# Altium PCB Copy of Ethernet2MilProtocolAdapter.PcbDoc (part 3 of 3)
Units mil, origin at the board's own origin, x right, y up, seen from the top; angles counter-clockwise.
Board outline 3750 x 3500 mil, 6 copper layers (SIG TOP, GND 1, PWR, SIG, GND 2, SIG BOT), stack 60.566 mil thick; 244 components, 325 nets, 968 pads, 582 vias.
Unrouted connection lines stored in the file: 211.
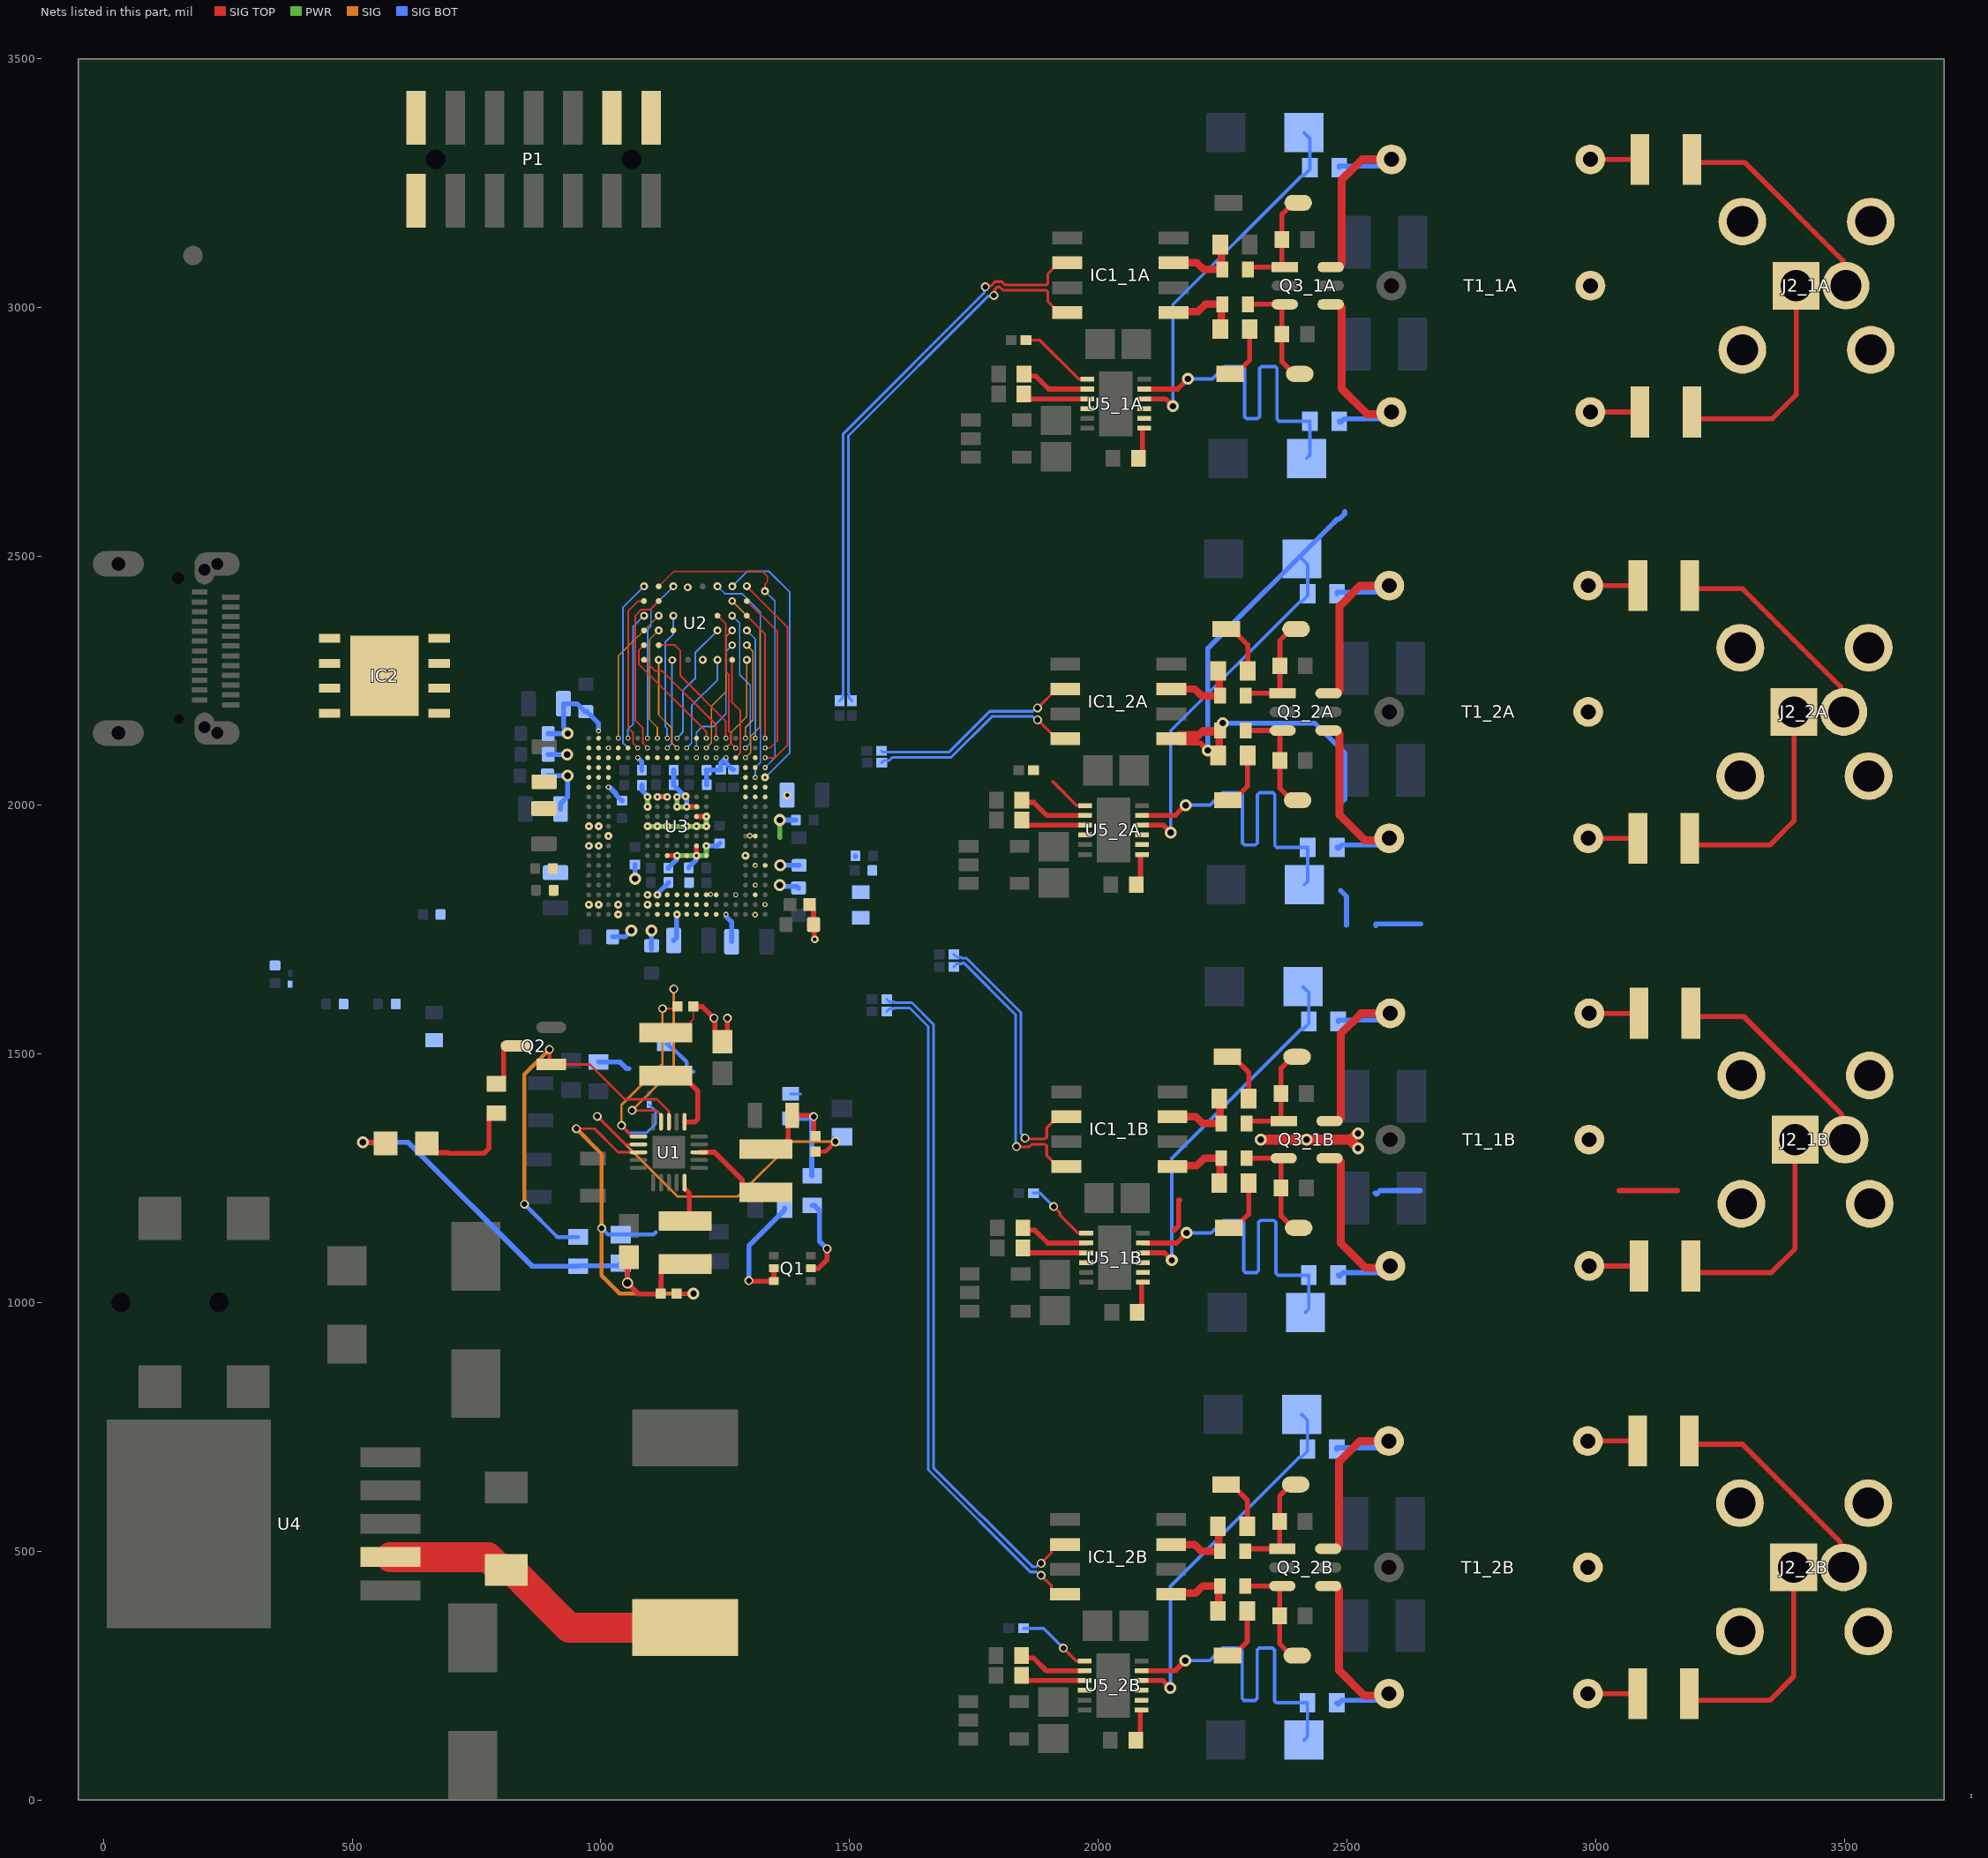
[diagram p7: the nets of this part, all layers, seen from the top]

## Via types
v1: diameter 24, hole 13, SIG TOP to SIG BOT, tented both sides, 114 vias
v2: diameter 15.75, hole 5.91, SIG TOP to SIG BOT, tented both sides, 98 vias
v3: diameter 24/0/0/0/0/24 (per signal layer), hole 13, SIG TOP to SIG BOT, tented both sides, 69 vias
v4: diameter 9.84, hole 5.91, SIG TOP to SIG BOT, tented both sides, 68 vias
v5: diameter 15.75, hole 7.87, SIG TOP to SIG BOT, tented both sides, 68 vias
v6: diameter 17.72, hole 11.81, SIG TOP to SIG BOT, tented both sides, 45 vias
v7: diameter 19.68, hole 11.81, SIG TOP to SIG BOT, tented both sides, 45 vias
v8: diameter 23.62, hole 19.68, SIG TOP to SIG BOT, tented both sides, 27 vias
v9: diameter 19.68, hole 7.87, SIG TOP to SIG BOT, 24 vias
v10: diameter 11.81, hole 5.91, SIG TOP to SIG BOT, tented both sides, 15 vias
v11: diameter 21.65, hole 15.75, SIG TOP to SIG BOT, tented both sides, 8 vias
v12: diameter 177.17, hole 118.11, SIG TOP to SIG BOT, 1 vias

## Nets (pads, with @x,y where several pads share a name; then routed paths per layer and width w, separated by ;. In a path a pad name is that pad's centre, name@x,y a point inside that pad or via, vN(x,y) a via of type N, cw(c..) or ccw(c..) an arc to the next point about the centre after c; other vN are vias at no path point) (continued)
NetD10_1B_1: D10_1B.1 R35_1B.2 | length 108.9
  SIG TOP w10: D10_1B.1@2259.61,1494 2271.14,1494 2302.83,1462.31 2302.83,1410.47 R35_1B.2@2302.36,1410
NetD10_2A_1: D10_2A.1 R35_2A.2 | length 108.9
  SIG TOP w10: D10_2A.1@2257.45,2354 2268.99,2354 2300.68,2322.31 2300.68,2270.47 R35_2A.2@2300.21,2270
NetD10_2B_1: D10_2B.1 R35_2B.2 | length 108.9
  SIG TOP w10: D10_2B.1@2256.77,634 2268.31,634 2300,602.31 2300,550.47 R35_2B.2@2299.53,550
NetD11_1A_1: D11_1A.1 R38_1A.2 | length 779.2
  SIG TOP w10: D11_1A.1@2264.92,2866.99 2276.46,2866.99 2304.53,2895.06 R38_1A.2@2304.53,2956.99
  SIG TOP w20: v1(2326.61,1327.4) 2372.83,1327.4 ; v1(2326.61,1327.4) 2372.83,1327.4 ; v1(2326.61,1327.4) 2372.83,1327.4 ; 2372.83,1327.4 v1(2418.92,1327.4) ; 2372.83,1327.4 v1(2418.92,1327.4) ; 2372.83,1327.4 v1(2418.92,1327.4) ; v1(2418.92,1327.4) 2465,1327.4 ; v1(2418.92,1327.4) 2465,1327.4 ; v1(2418.92,1327.4) 2465,1327.4 ; 2466.69,1327.51 2466.8,1327.4 ; 2466.69,1327.51 2466.8,1327.4 ; 2466.69,1327.51 2466.8,1327.4 ; 2466.8,1327.4 2508.48,1327.4 ; 2466.8,1327.4 2508.48,1327.4 ; 2466.8,1327.4 2508.48,1327.4 ; 2508.48,1324.76 v1@2522.16,1311.08 ; 2508.48,1324.76 2508.48,1327.4 ; 2508.48,1324.76 2508.48,1327.4 ; 2508.48,1324.76 v1@2522.16,1311.08 ; 2508.48,1324.76 v1@2522.16,1311.08 ; 2508.48,1324.76 2508.48,1327.4 ; 2508.48,1327.4 2508.48,1328.04 ; 2508.48,1327.4 2508.48,1328.04 ; 2508.48,1327.4 2508.48,1328.04 ; 2508.48,1328.04 v1@2520.44,1340 ; 2508.48,1328.04 v1@2520.44,1340 ; 2508.48,1328.04 v1@2520.44,1340 ; v1@2520.44,1340 v1(2522.16,1340) v1@2520.44,1340 ; v1(2522.16,1310) v1@2522.16,1311.08 ; v1(2522.16,1310) v1@2522.16,1311.08 ; v1(2522.16,1310) v1@2522.16,1311.08
  other v1: 2522.16,1310 2326.61,1327.4 2418.92,1327.4 2522.16,1340
NetD11_1B_1: D11_1B.1 R38_1B.2 | length 113.2
  SIG TOP w10: D11_1B.1@2262.76,1150 2274.29,1150 2302.36,1178.07 R38_1B.2@2302.36,1240
NetD11_2A_1: D11_2A.1 R38_2A.2 | length 113.2
  SIG TOP w10: D11_2A.1@2260.6,2010 2272.14,2010 2300.2,2038.07 R38_2A.2@2300.21,2100
NetD11_2B_1: D11_2B.1 R38_2B.2 | length 113.2
  SIG TOP w10: D11_2B.1@2259.92,290 2271.46,290 2299.53,318.07 R38_2B.2@2299.53,380
NetDS1_2: DS1.2 R12.1 | length 216.4
  SIG TOP w10: DS1.2@650,1320 668.62,1301.38 692.24,1301.38 693.62,1300 764.96,1300 775.32,1310.36 775.32,1369.73 786.06,1380.47 R12.1@790,1380.47
NetIC2_1: IC2.1
NetIC2_2: IC2.2
NetIC2_3: IC2.3
NetIC2_4: IC2.4
NetIC2_5: IC2.5
NetIC2_6: IC2.6
NetIC2_7: IC2.7
NetIC2_8: IC2.8
NetIC2_9: IC2.9
NetJ2_1A_3: J2_1A.3
NetJ2_1A_4: J2_1A.4
NetJ2_1A_5: J2_1A.5
NetJ2_1A_6: J2_1A.6
NetJ2_1B_3: J2_1B.3
NetJ2_1B_4: J2_1B.4
NetJ2_1B_5: J2_1B.5
NetJ2_1B_6: J2_1B.6
NetJ2_2A_3: J2_2A.3
NetJ2_2A_4: J2_2A.4
NetJ2_2A_5: J2_2A.5
NetJ2_2A_6: J2_2A.6
NetJ2_2B_3: J2_2B.3
NetJ2_2B_4: J2_2B.4
NetJ2_2B_5: J2_2B.5
NetJ2_2B_6: J2_2B.6
NetM1_1: 
NetM2_1: 
NetM3_1: 
NetM4_1: 
NetP1_1: P1.1
NetP1_12: P1.12
NetP1_14: P1.14
NetQ1_2: Q1.2 Q1.3 R7.1 | length 252.1
  SIG TOP w10: v6(1297.66,1043.64) 1298.3,1043 Q1.3@1347.76,1043 Q1.2@1347.76,1068.59
  SIG BOT w10: v6(1297.66,1043.64) 1297.66,1114.2 1369.53,1186.07 R7.1@1369.53,1190
NetQ1_5: Q1.5 R15.1 | length 163.7
  SIG TOP w10: Q1.5@1422.56,1068.59 1437.4,1068.59 1455,1086.18 1455,1107.72 v6(1454.88,1107.85)
  SIG BOT w10: R15.1@1425,1195.47 1428.94,1195.47 1439.69,1184.72 1439.69,1123.04 v6(1454.88,1107.85)
NetQ2_3: Q2.3 R12.2 | length 103.5
  SIG TOP w10: R12.2@790,1439.53 793.94,1439.53 804.69,1450.28 804.69,1506.98 813.49,1515.78 Q2.3@828.66,1515.78
NetR47_1: R47.1@3755,5
NetR47_2: R47.2@3755,10
NetR58_2: R58.2
NetR59_2: R59.2
NetR60_2: R60.2
NetR61_2: R61.2
NetT1_1A_4: T1_1A.4
NetT1_1B_4: T1_1B.4
NetT1_2A_4: T1_2A.4
NetT1_2B_4: T1_2B.4
NetU2_A3: U2.A3
NetU2_C3: U2.C3
NetU3_A2: U3.A2
  other v2: 975.89,1799.97
NetU3_A8: U3.A8
  other v2: 975.89,1918.08
NetU3_A10: U3.A10
  other v2: 975.89,1957.45
NetU3_A14: U3.A14
NetU3_A15: U3.A15
NetU3_A16: U3.A16
NetU3_A17: U3.A17
NetU3_A18: U3.A18
NetU3_B2: U3.B2
  other v2: 995.57,1799.97
NetU3_B8: U3.B8
  other v2: 995.57,1918.08
NetU3_B10: U3.B10
  other v2: 995.57,1957.45
NetU3_B15: U3.B15
NetU3_B16: U3.B16
NetU3_B17: U3.B17
NetU3_B18: U3.B18
NetU3_C15: U3.C15
NetU3_C16: U3.C16
NetU3_C17: U3.C17
NetU3_D1: U3.D1
  other v2: 1034.94,1780.28
NetU3_D2: U3.D2
  other v2: 1034.94,1799.97
NetU3_D17: U3.D17
NetU3_D18: U3.D18
NetU3_G2: U3.G2
  other v2: 1094,1799.97
NetU3_G3: U3.G3
  other v2: 1094,1819.65
NetU3_G17: U3.G17
NetU3_H1: U3.H1
NetU3_H2: U3.H2
NetU3_H17: U3.H17
NetU3_J1: U3.J1
NetU3_J2: U3.J2
NetU3_J3: U3.J3
NetU3_J17: U3.J17
NetU3_K2: U3.K2
NetU3_K3: U3.K3
NetU3_K17: U3.K17
NetU3_L1: U3.L1
NetU3_L2: U3.L2
NetU3_L3: U3.L3
NetU3_M1: U3.M1
NetU3_M2: U3.M2
NetU3_M3: U3.M3
NetU3_M19: U3.M19
NetU3_N1: U3.N1
NetU3_N2: U3.N2
NetU3_N3: U3.N3
NetU3_N17: U3.N17
  other v4: 1212.11,2095.25
NetU3_P1: U3.P1
NetU3_P3: U3.P3
  other v4: 1220.95,1820.31
NetU3_P17: U3.P17
  other v4: 1231.8,2095.25
NetU3_P18: U3.P18
  other v4: 1231.8,2114.93 1231.8,2114.93 1231.8,2114.93
NetU3_T3: U3.T3
  other v4: 1271.17,1819.65
NetU3_U7: U3.U7
  other v2: 1290.85,1898.39
  other v4: 1290.85,1898.39
NetU3_U14: U3.U14
NetU3_U15: U3.U15
NetU3_U16: U3.U16
NetU3_V3: U3.V3
NetU3_V4: U3.V4
  other v4: 1310.54,1839.34
NetU3_V13: U3.V13
NetU3_V14: U3.V14
NetU3_V16: U3.V16
NetU3_V17: U3.V17
NetU3_W2: U3.W2
  other v4: 1330,1800
NetU3_W6: U3.W6
NetU3_W13: U3.W13
NetU3_W14: U3.W14
NetU5_1A_4: U5_1A.4
NetU5_1A_8: U5_1A.8
NetU5_1A_9: U5_1A.9
NetU5_1B_4: U5_1B.4
NetU5_1B_8: U5_1B.8
NetU5_1B_9: U5_1B.9
NetU5_2A_4: U5_2A.4
NetU5_2A_8: U5_2A.8
NetU5_2A_9: U5_2A.9
NetU5_2B_4: U5_2B.4
NetU5_2B_8: U5_2B.8
NetU5_2B_9: U5_2B.9
PGOOD: Q2.1 R11.2 U1.3 | length 796
  SIG TOP w5: Q2.1@900.33,1478.37 978.24,1478.37 1047.84,1408.77 1112.51,1408.77 1136.81,1384.47 U1.3@1136.81,1363.1
  SIG TOP w8: v6(896.65,1508.76) 896.65,1482.06 Q2.1@900.33,1478.37
  SIG w8: v6(846.35,1197.73) 846.35,1458.46 v6(896.65,1508.76)
  SIG BOT w8: v6(846.35,1197.73) 912.25,1131.82 R11.2@954.57,1131.82
PMODE: R10.1 R14.2 U1.4 | length 554.2
  SIG TOP w5: v6(1062.9,1386.1) 1111.85,1386.1 1121.07,1376.88 U1.4@1121.07,1363.1
  SIG w5: v6(1062.9,1386.1) 1143.08,1466.28 1146.65,1469.85 v6(1146.65,1630.43)
  SIG BOT w5: R10.1@1130.8,1519.29 1134.74,1519.29 1146.02,1530.57 1146.02,1629.8 v6(1146.65,1630.43)
  SIG BOT w8: R10.1@1134.74,1519.29 1144.52,1509.51 1146.48,1509.51 1172.58,1483.42 1172.58,1473.95 1182.36,1464.17 1185.8,1464.17
RX_EN_b.1: R43_1A.1 U5_1A.2 | length 139.9
  SIG TOP w10: R43_1A.1@1850.59,2866.99 1855.09,2862.49 1874.5,2862.49 1900.47,2836.52 U5_1A.2@1977.91,2836.52
RX_EN_b.2: R43_1B.1 U5_1B.2 | length 139.9
  SIG TOP w10: R43_1B.1@1848.42,1150 1852.92,1145.5 1872.33,1145.5 1898.31,1119.53 U5_1B.2@1975.75,1119.53
RX_EN_b.3: R43_2A.1 U5_2A.2 | length 139.9
  SIG TOP w10: R43_2A.1@1846.27,2010 1850.76,2005.5 1870.17,2005.5 1896.15,1979.53 U5_2A.2@1973.59,1979.53
RX_EN_b.4: R43_2B.1 U5_2B.2 | length 139.9
  SIG TOP w10: R43_2B.1@1845.59,290 1850.09,285.5 1869.5,285.5 1895.47,259.53 U5_2B.2@1972.91,259.53
RX_IN.1_N: D9_1A.1 R34_1A.1 U5_1A.10 | length 2056.3
  SIG TOP w10: U5_1A.10@2092.09,2816.83 2135.16,2816.83 v1(2150,2801.99) ; 2205.16,2124.84 v1(2220,2110) 2205.16,2124.84 ; 2205.16,2124.84 2162.09,2124.84 2205.16,2124.84
  SIG BOT w6.81: v1(2150,2801.99) 2150,3006.51 2409.19,3265.71 2413.13,3265.71 2425.47,3278.05 2425.47,3340.26 D9_1A.1@2413.74,3351.99
  SIG BOT w10: 2220,2314.53 v1(2220,2110) 2220,2314.53 ; 2220,2314.53 2463.61,2558.14 ; 2220,2314.53 2463.61,2558.14 ; 2463.61,2558.14 2480.79,2575.31 ; 2463.61,2558.14 2480.79,2575.31 ; 2480.79,2575.31 2484.73,2575.31 ; 2480.79,2575.31 2484.73,2575.31 ; 2484.73,2575.31 2495.47,2586.06 ; 2484.73,2575.31 2495.47,2586.06 ; 2495.47,2586.06 2495.47,2590 2495.47,2586.06
  other v1: 2220,2110
RX_IN.1_P: D8_1A.1 R32_1A.1 U5_1A.11 | length 1674.6
  SIG TOP w10: U5_1A.11@2092.09,2836.52 2159.53,2836.52 v1(2180,2856.99) ; 2229.53,2144.53 2162.09,2144.53 2229.53,2144.53 ; 2229.53,2144.53 v1(2250,2165) 2229.53,2144.53
  SIG BOT w6.81: v1(2180,2856.99) 2229.32,2856.99 2254.32,2881.99 2290.33,2881.99 2294.32,2878 2294.32,2780.98 2298.32,2776.99 2320.33,2776.99 2324.32,2780.98 2324.32,2878 2328.32,2881.99 2355.33,2881.99 2359.32,2878 2359.32,2775.98 2363.32,2771.99 R32_1A.1@2425.47,2771.99 2425.47,2703.72 D8_1A.1@2418.74,2696.99
  SIG BOT w10: 2435.16,2165 v1(2250,2165) 2435.16,2165 ; 2435.16,2165 2495.47,2104.69 ; 2435.16,2165 2495.47,2104.69 ; 2495.47,2011.73 2495.47,2104.69 ; 2495.47,2011.73 2488.74,2005 2495.47,2011.73 ; 2495.47,2011.73 2495.47,2104.69
  other v1: 2250,2165
RX_IN.2_N: D9_1B.1 R34_1B.1 U5_1B.10 | length 809.7
  SIG TOP w10: U5_1B.10@2089.92,1099.84 2132.99,1099.84 v1(2147.83,1085)
  SIG BOT w6.81: v1(2147.83,1085) 2147.83,1289.53 2407.03,1548.72 2410.97,1548.72 2423.31,1561.06 2423.31,1623.27 D9_1B.1@2411.57,1635
  SIG BOT w10: 2487.42,1828 2499.15,1816.27 2499.15,1758.53
RX_IN.2_P: D8_1B.1 R32_1B.1 U5_1B.11 | length 736
  SIG TOP w10: U5_1B.11@2089.92,1119.53 2157.36,1119.53 v1(2177.83,1140)
  SIG BOT w6.81: v1(2177.83,1140) 2227.16,1140 2252.16,1165 2288.17,1165 2292.16,1161.01 2292.16,1063.99 2296.15,1060 2318.17,1060 2322.16,1063.99 2322.16,1161.01 2326.15,1165 2353.17,1165 2357.16,1161.01 2357.16,1058.99 2361.15,1055 R32_1B.1@2423.31,1055 2423.31,986.73 D8_1B.1@2416.57,980
RX_IN.3_N: D9_2A.1 R34_2A.1 U5_2A.10 | length 735.3
  SIG TOP w10: U5_2A.10@2087.76,1959.84 2130.83,1959.84 v1(2145.68,1945)
  SIG BOT w6.81: v1(2145.68,1945) 2145.68,2149.53 2404.87,2408.72 2408.81,2408.72 2421.15,2421.06 2421.15,2483.27 D9_2A.1@2409.42,2495
RX_IN.3_P: D8_2A.1 R32_2A.1 U5_2A.11 | length 736
  SIG TOP w10: U5_2A.11@2087.76,1979.53 2155.2,1979.53 v1(2175.68,2000)
  SIG BOT w6.81: v1(2175.68,2000) 2225,2000 2250,2025 2286.01,2025 2290,2021.01 2290,1923.99 2293.99,1920 2316.01,1920 2320,1923.99 2320,2021.01 2323.99,2025 2351.01,2025 2355,2021.01 2355,1918.99 2358.99,1915 R32_2A.1@2421.15,1915 2421.15,1846.73 D8_2A.1@2414.42,1840
RX_IN.4_N: D9_2B.1 R34_2B.1 U5_2B.10 | length 735.3
  SIG TOP w10: U5_2B.10@2087.09,239.84 2130.16,239.84 v1(2145,225)
  SIG BOT w6.81: v1(2145,225) 2145,429.53 2404.19,688.72 2408.13,688.72 2420.47,701.06 2420.47,763.27 D9_2B.1@2408.74,775
RX_IN.4_P: D8_2B.1 R32_2B.1 U5_2B.11 | length 736
  SIG TOP w10: U5_2B.11@2087.09,259.53 2154.53,259.53 v1(2175,280)
  SIG BOT w6.81: v1(2175,280) 2224.32,280 2249.32,305 2285.33,305 2289.32,301.01 2289.32,203.99 2293.32,200 2315.33,200 2319.32,203.99 2319.32,301.01 2323.32,305 2350.33,305 2354.32,301.01 2354.32,198.99 2358.32,195 R32_2B.1@2420.47,195 2420.47,126.73 D8_2B.1@2413.74,120
RX_OUT.1: R46.1 U5_1A.1 | length 155.8
  SIG TOP w6: R46.1@1854.76,2935 1882.34,2935 1961.13,2856.2 U5_1A.1@1977.91,2856.2
RX_OUT.2: R51.1 U5_1B.1 | length 142.4
  SIG TOP w6: v6(1910.55,1192.63) 1922.79,1180.39 1922.79,1175.39 1958.97,1139.21 U5_1B.1@1975.75,1139.21
  SIG BOT w6: R51.1@1869.76,1220 1883.18,1220 v6(1910.55,1192.63)
RX_OUT.3: R54.1 U5_2A.1 | length 85.4
  SIG TOP w6: 1908.39,2047.81 1908.39,2047.63 1956.81,1999.21 U5_2A.1@1973.59,1999.21
RX_OUT.4: R57.1 U5_2B.1 | length 150.4
  SIG TOP w6: v6(1930,305) 1955.79,279.21 U5_2B.1@1972.91,279.21
  SIG BOT w6: R57.1@1849.76,345 1890,345 v6(1930,305)
SIG_1553_BOTTOM.1: Q3_1A.6 R34_1A.2 T1_1A.1 | length 590.7
  SIG TOP w16: Q3_1A.6@2467.17,3081.79 2482.08,3081.79 2489.32,3089.04 2489.32,3256.99 2530.73,3298.39 T1_1A.1@2589.32,3298.39
  SIG BOT w10: R34_1A.2@2484.53,3281.99 2484.53,3284.99 T1_1A.1@2575,3284.99 ; 2558.2,1761 2558.2,1758 2558.2,1761 ; 2558.2,1761 2648.68,1761 2558.2,1761
SIG_1553_BOTTOM.2: Q3_1B.6 R34_1B.2 T1_1B.1 | length 403.7
  SIG TOP w16: Q3_1B.6@2465,1364.8 2479.91,1364.8 2487.16,1372.05 2487.16,1540 2528.56,1581.4 T1_1B.1@2587.16,1581.4
  SIG BOT w10: R34_1B.2@2482.36,1565 2482.36,1568 T1_1B.1@2572.83,1568
SIG_1553_BOTTOM.3: Q3_2A.6 R34_2A.2 T1_2A.1 | length 403.7
  SIG TOP w16: Q3_2A.6@2462.85,2224.8 2477.75,2224.8 2485,2232.05 2485,2400 2526.4,2441.4 T1_2A.1@2585,2441.4
  SIG BOT w10: R34_2A.2@2480.21,2425 2480.2,2428 T1_2A.1@2570.68,2428
SIG_1553_BOTTOM.4: Q3_2B.6 R34_2B.2 T1_2B.1 | length 403.7
  SIG TOP w16: Q3_2B.6@2462.17,504.8 2477.08,504.8 2484.32,512.05 2484.32,680 2525.73,721.4 T1_2B.1@2584.32,721.4
  SIG BOT w10: R34_2B.2@2479.53,705 2479.53,708 T1_2B.1@2570,708
SIG_1553_TOP.1: Q3_1A.4 R32_1A.2 T1_1A.5 | length 584.3
  SIG TOP w16: Q3_1A.4@2467.17,3006.99 2482.08,3006.99 2489.32,2999.74 2489.32,2836.99 2539.91,2786.41 2569,2786.41 2569,2782.99 T1_1A.5@2575,2776.99
  SIG BOT w10: R32_1A.2@2484.53,2771.99 2487.03,2769.49 2494.53,2776.99 T1_1A.5@2575,2776.99 ; 2559.19,1217.5 2556.69,1220 2559.19,1217.5 ; 2559.19,1217.5 2566.69,1225 ; 2559.19,1217.5 2566.69,1225 ; 2566.69,1225 2647.16,1225 2566.69,1225
SIG_1553_TOP.2: Q3_1B.4 R32_1B.2 T1_1B.5 | length 395.1
  SIG TOP w16: Q3_1B.4@2465,1290 2479.91,1290 2487.16,1282.75 2487.16,1120 2537.74,1069.42 2566.83,1069.42 2566.83,1066 T1_1B.5@2572.83,1060
  SIG BOT w10: R32_1B.2@2482.36,1055 2484.86,1052.5 2492.36,1060 T1_1B.5@2572.83,1060
SIG_1553_TOP.3: Q3_2A.4 R32_2A.2 T1_2A.5 | length 395.1
  SIG TOP w16: Q3_2A.4@2462.85,2150 2477.75,2150 2485,2142.75 2485,1980 2535.58,1929.42 2564.68,1929.42 2564.68,1926 T1_2A.5@2570.68,1920
  SIG BOT w10: R32_2A.2@2480.21,1915 2482.7,1912.5 2490.2,1920 T1_2A.5@2570.68,1920
SIG_1553_TOP.4: Q3_2B.4 R32_2B.2 T1_2B.5 | length 395.1
  SIG TOP w16: Q3_2B.4@2462.17,430 2477.08,430 2484.32,422.75 2484.32,260 2534.91,209.42 2564,209.42 2564,206 T1_2B.5@2570,200
  SIG BOT w10: R32_2B.2@2479.53,195 2482.03,192.5 2489.53,200 T1_2B.5@2570,200
SLOW_MODE_ENABLE.1_n: R39_1A.1 U5_1A.7 | length 201.7
  SIG TOP w10: R39_1A.1@2080.59,2696.99 2089.14,2705.54 2089.14,2757.7 2089.22,2757.78 U5_1A.7@2092.09,2757.78 ; 2161.3,1153.55 2152.75,1145 2161.3,1153.55 ; 2161.3,1153.55 2161.3,1205.71 ; 2161.3,1153.55 2161.3,1205.71 ; 2161.3,1205.71 2161.38,1205.79 ; 2161.3,1205.71 2161.38,1205.79 ; 2161.38,1205.79 2164.24,1205.79 2161.38,1205.79
SLOW_MODE_ENABLE.2_n: R39_1B.1 U5_1B.7 | length 67.2
  SIG TOP w10: R39_1B.1@2078.42,980 2086.97,988.55 2086.97,1040.71 2087.05,1040.79 U5_1B.7@2089.92,1040.79
SLOW_MODE_ENABLE.3_n: R39_2A.1 U5_2A.7 | length 67.2
  SIG TOP w10: R39_2A.1@2076.27,1840 2084.82,1848.55 2084.82,1900.71 2084.9,1900.79 U5_2A.7@2087.76,1900.79
SLOW_MODE_ENABLE.4_n: R39_2B.1 U5_2B.7 | length 67.2
  SIG TOP w10: R39_2B.1@2075.59,120 2084.14,128.55 2084.14,180.71 2084.22,180.79 U5_2B.7@2087.09,180.79
SRAM-A0: U2.A1 U3.P19 | length 226
  SIG TOP w3.54: U2.A1@1086.81,2292.19 1109,2270 1123.35,2270 1231.8,2161.56 v4(1231.8,2134.62)
SRAM-A1: U2.A2 U3.N19 | length 247.8
  SIG TOP w3.54: U2.A2@1086.81,2321.72 1076.18,2311.09 1076.18,2283.82 1212.11,2147.89 v4(1212.11,2134.62)
SRAM-A2: U2.B2 U3.R19 | length 261.8
  SIG TOP w3.54: U2.B2@1116.33,2321.72 1148.28,2321.72 1160,2310 1160,2260 1250.89,2169.11 1250.89,2145.61 1251.48,2145.02 v4(1251.48,2134.62)
SRAM-A3: U2.A4 U3.E19 | length 259.5
  SIG BOT w3.54: v4(1054.63,2134.62) 1054.63,2152.9 1065,2163.27 1065,2358.97 v5(1086.81,2380.78)
SRAM-A4: U2.B4 U3.D19 | length 279.9
  SIG w2.78: v4(1034.94,2134.62) 1034.94,2299.39 v5(1116.33,2380.78)
SRAM-A5: U2.C4 U3.J19 | length 254.1
  SIG BOT w3.54: v4(1133.37,2134.62) 1133.37,2154.3 1130,2157.67 1130,2328.31 1145.86,2344.17 v5(1145.86,2380.78)
SRAM-A6: U2.A5 U3.F18 | length 323.3
  SIG TOP w3.54: v4(1074.31,2114.93) 1064.62,2124.62 1064.62,2145.71 1055,2155.33 1055,2390 1075.3,2410.3 U2.A5@1086.81,2410.3
SRAM-A7: U2.B5 U3.G18 | length 335.3
  SIG TOP w3: 1084.35,2124.58 v4(1094,2114.93)
  SIG TOP w3.54: 1084.35,2124.58 1084.01,2124.92 1084.01,2155.99 1069.64,2170.36 1069.64,2381.49 1081.57,2393.42 1099.45,2393.42 U2.B5@1116.33,2410.3
SRAM-A8: U2.A6 U3.E18 | length 346.3
  SIG BOT w3.54: 1054.63,2114.93 1044.94,2124.62 1044.94,2397.96 v5(1086.81,2439.83)
SRAM-A9: U2.H1 U3.R18 | length 194.7
  SIG w2.78: v4(1251.48,2114.93) 1261.85,2125.3 1261.85,2145.87 1293.5,2177.51 v5(1293.5,2292.19)
SRAM-A10: U2.H2 U3.U19 | length 198.4
  SIG w2.78: v4(1290.85,2134.62) 1290.85,2155.85 1305.76,2170.76 1305.76,2309.46 v5(1293.5,2321.72)
SRAM-A11: U2.H3 U3.V19 | length 223.7
  SIG BOT w3: v5(1293.5,2351.25) 1310.54,2334.21 v4(1310.54,2134.62)
SRAM-A12: U2.H4 U3.W19 | length 261.4
  SIG TOP w3.54: U2.H4@1293.5,2380.78 1330.22,2344.06 v4(1330.22,2134.62)
SRAM-A13: U2.H5 U3.W18 | length 336.8
  SIG TOP w3: v4(1330.22,2114.93) 1339.93,2114.93 1355,2130
  SIG TOP w3.54: U2.H5@1293.5,2410.3 1355,2348.8 1355,2130
SRAM-A14: U2.H6 U3.W17 | length 409
  SIG TOP w3.54: v5(1293.51,2440.25) U2.H6@1293.5,2439.83 1375,2358.33 1375,2120 1350.25,2095.25 v4(1330.22,2095.25)
SRAM-A15: U2.G5 U3.U17 | length 350.3
  SIG w2.78: v5(1263.97,2410.3) 1320,2354.28 1320,2157.25 1301.22,2138.47 1301.22,2105.62 v4(1290.85,2095.25)